# Altium PCB M2FS FLS Data Formatter 8_14_2012.PcbDoc (part 1 of 3) (continued)
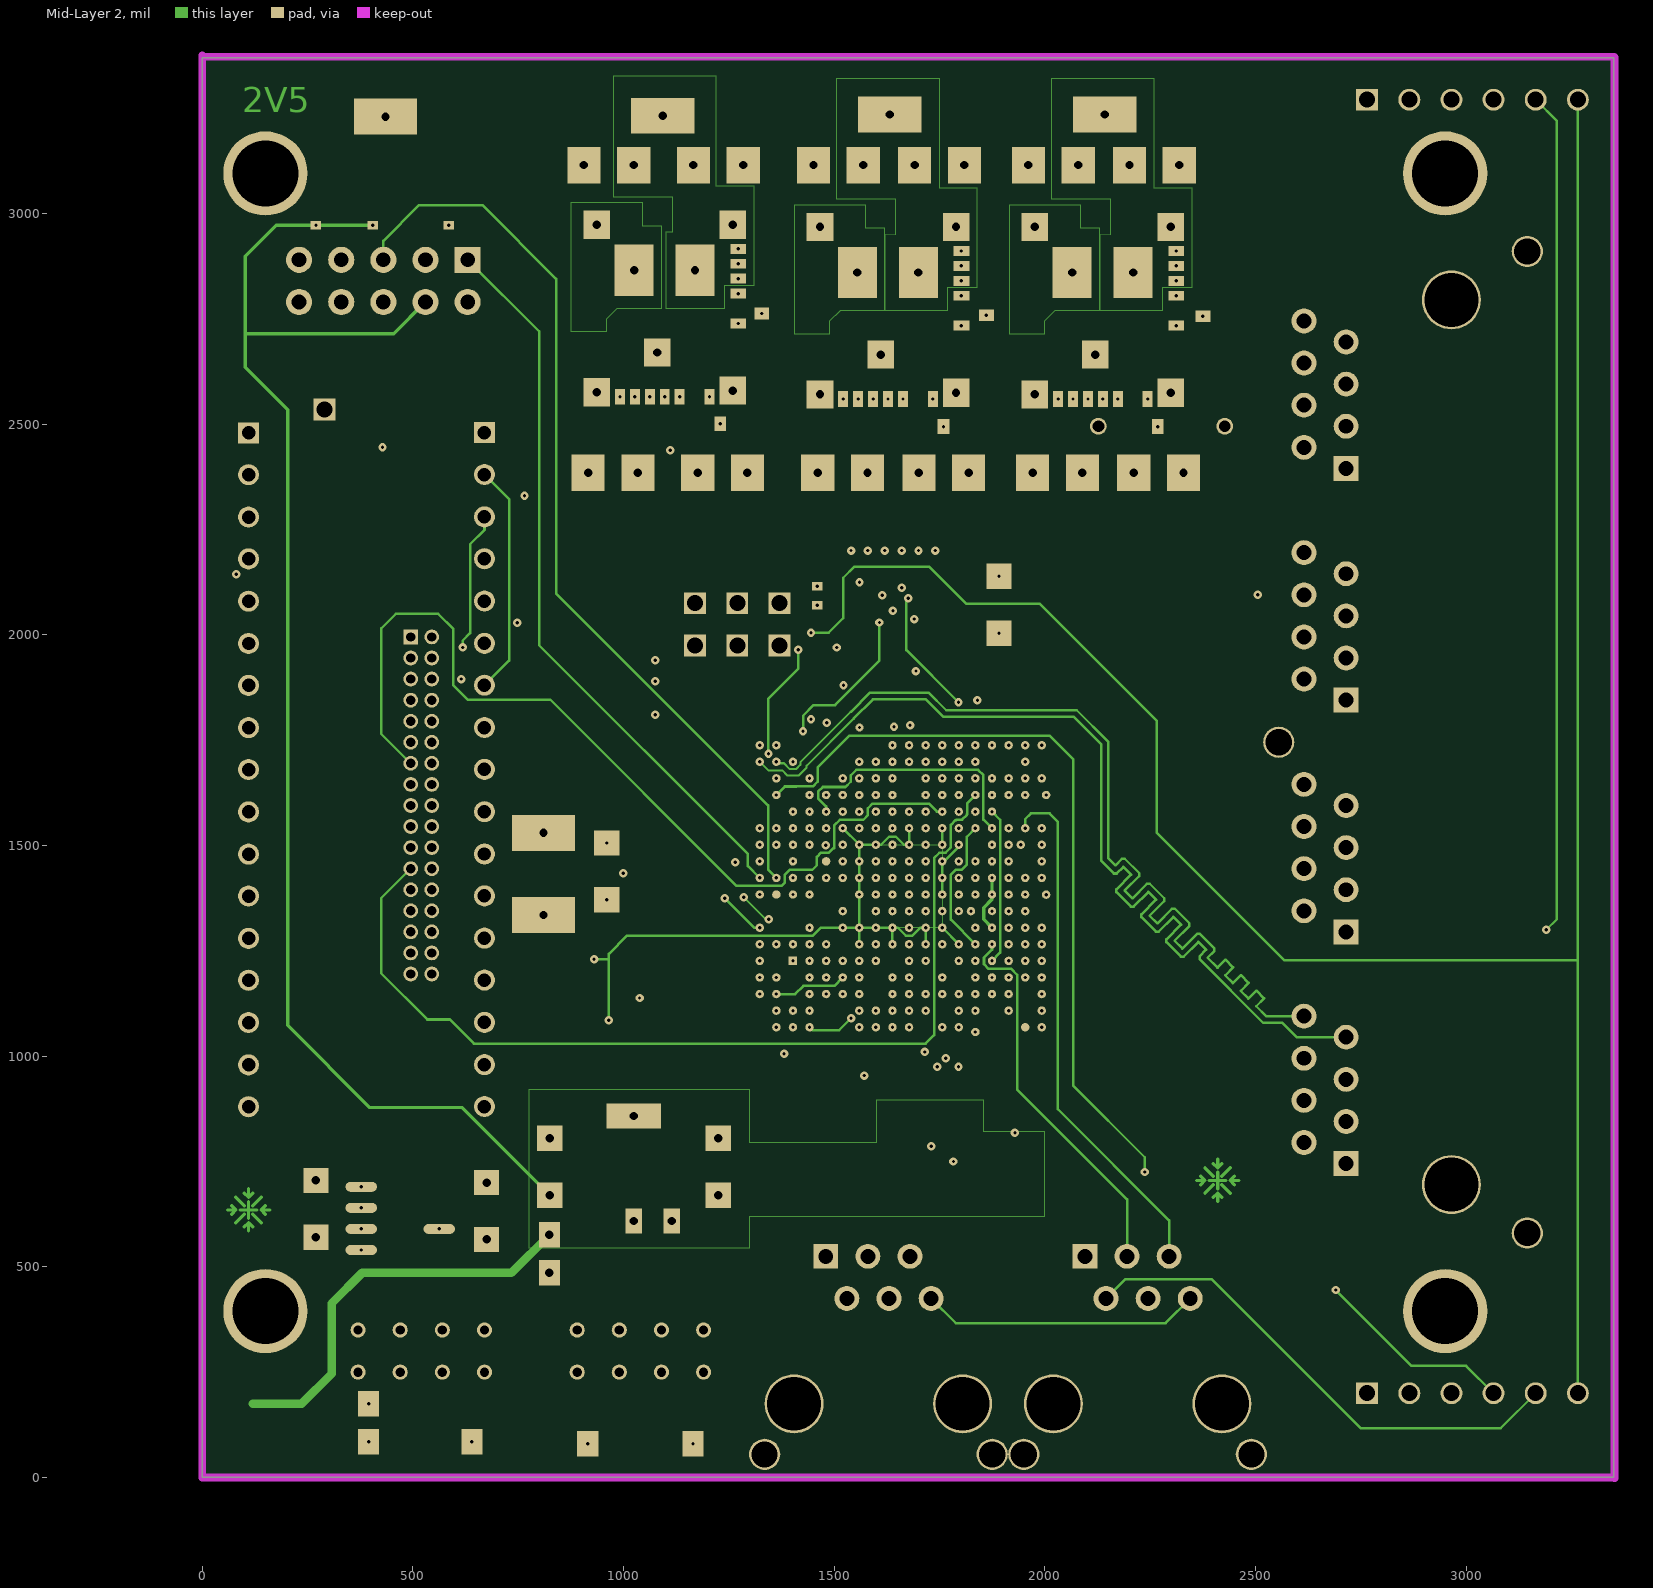
[diagram p4: Mid-Layer 2]
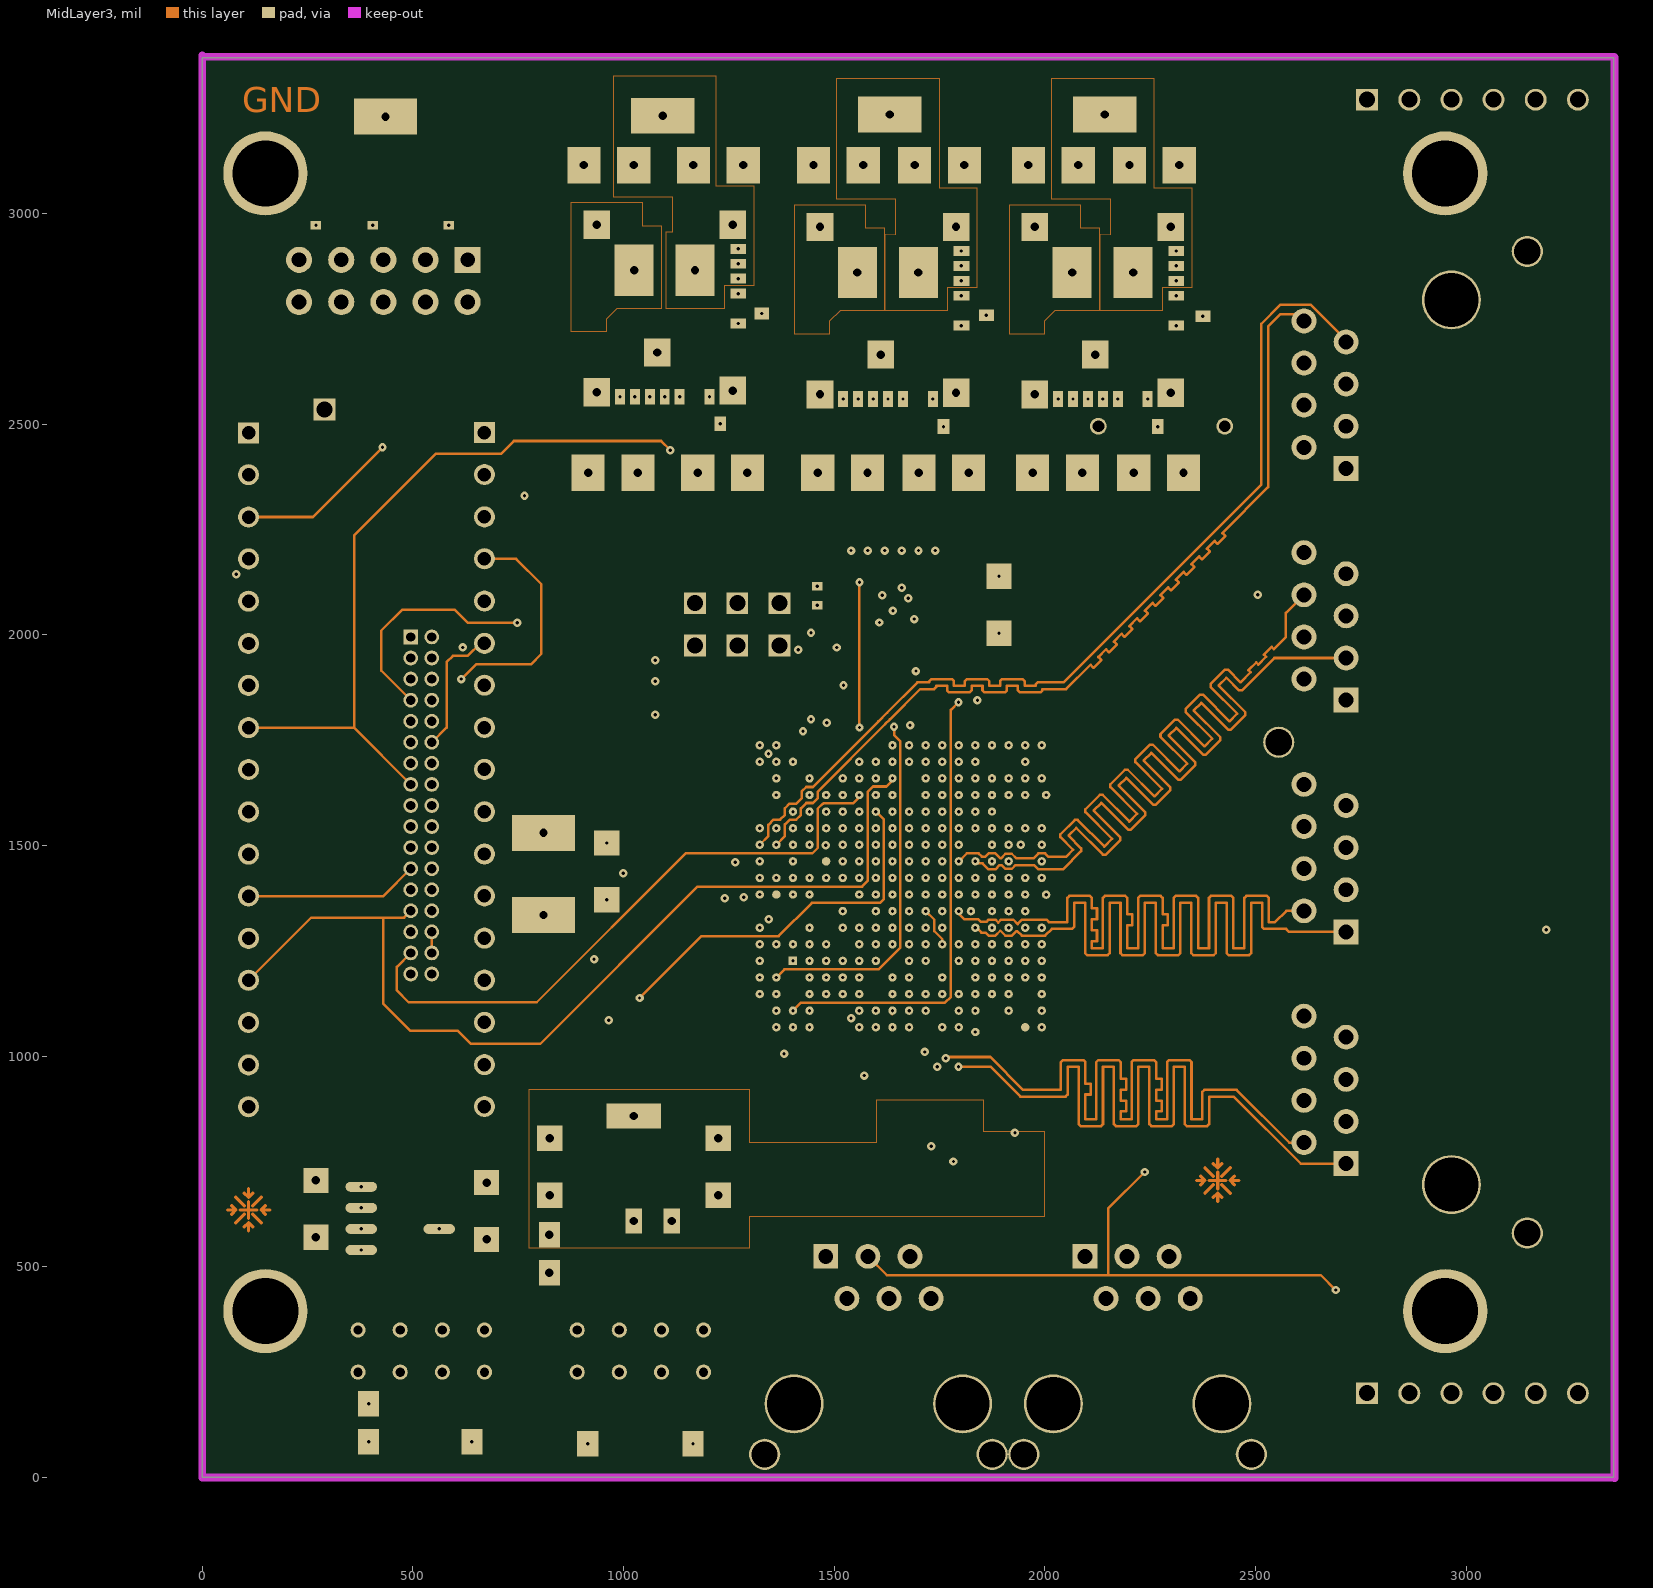
[diagram p5: MidLayer3]
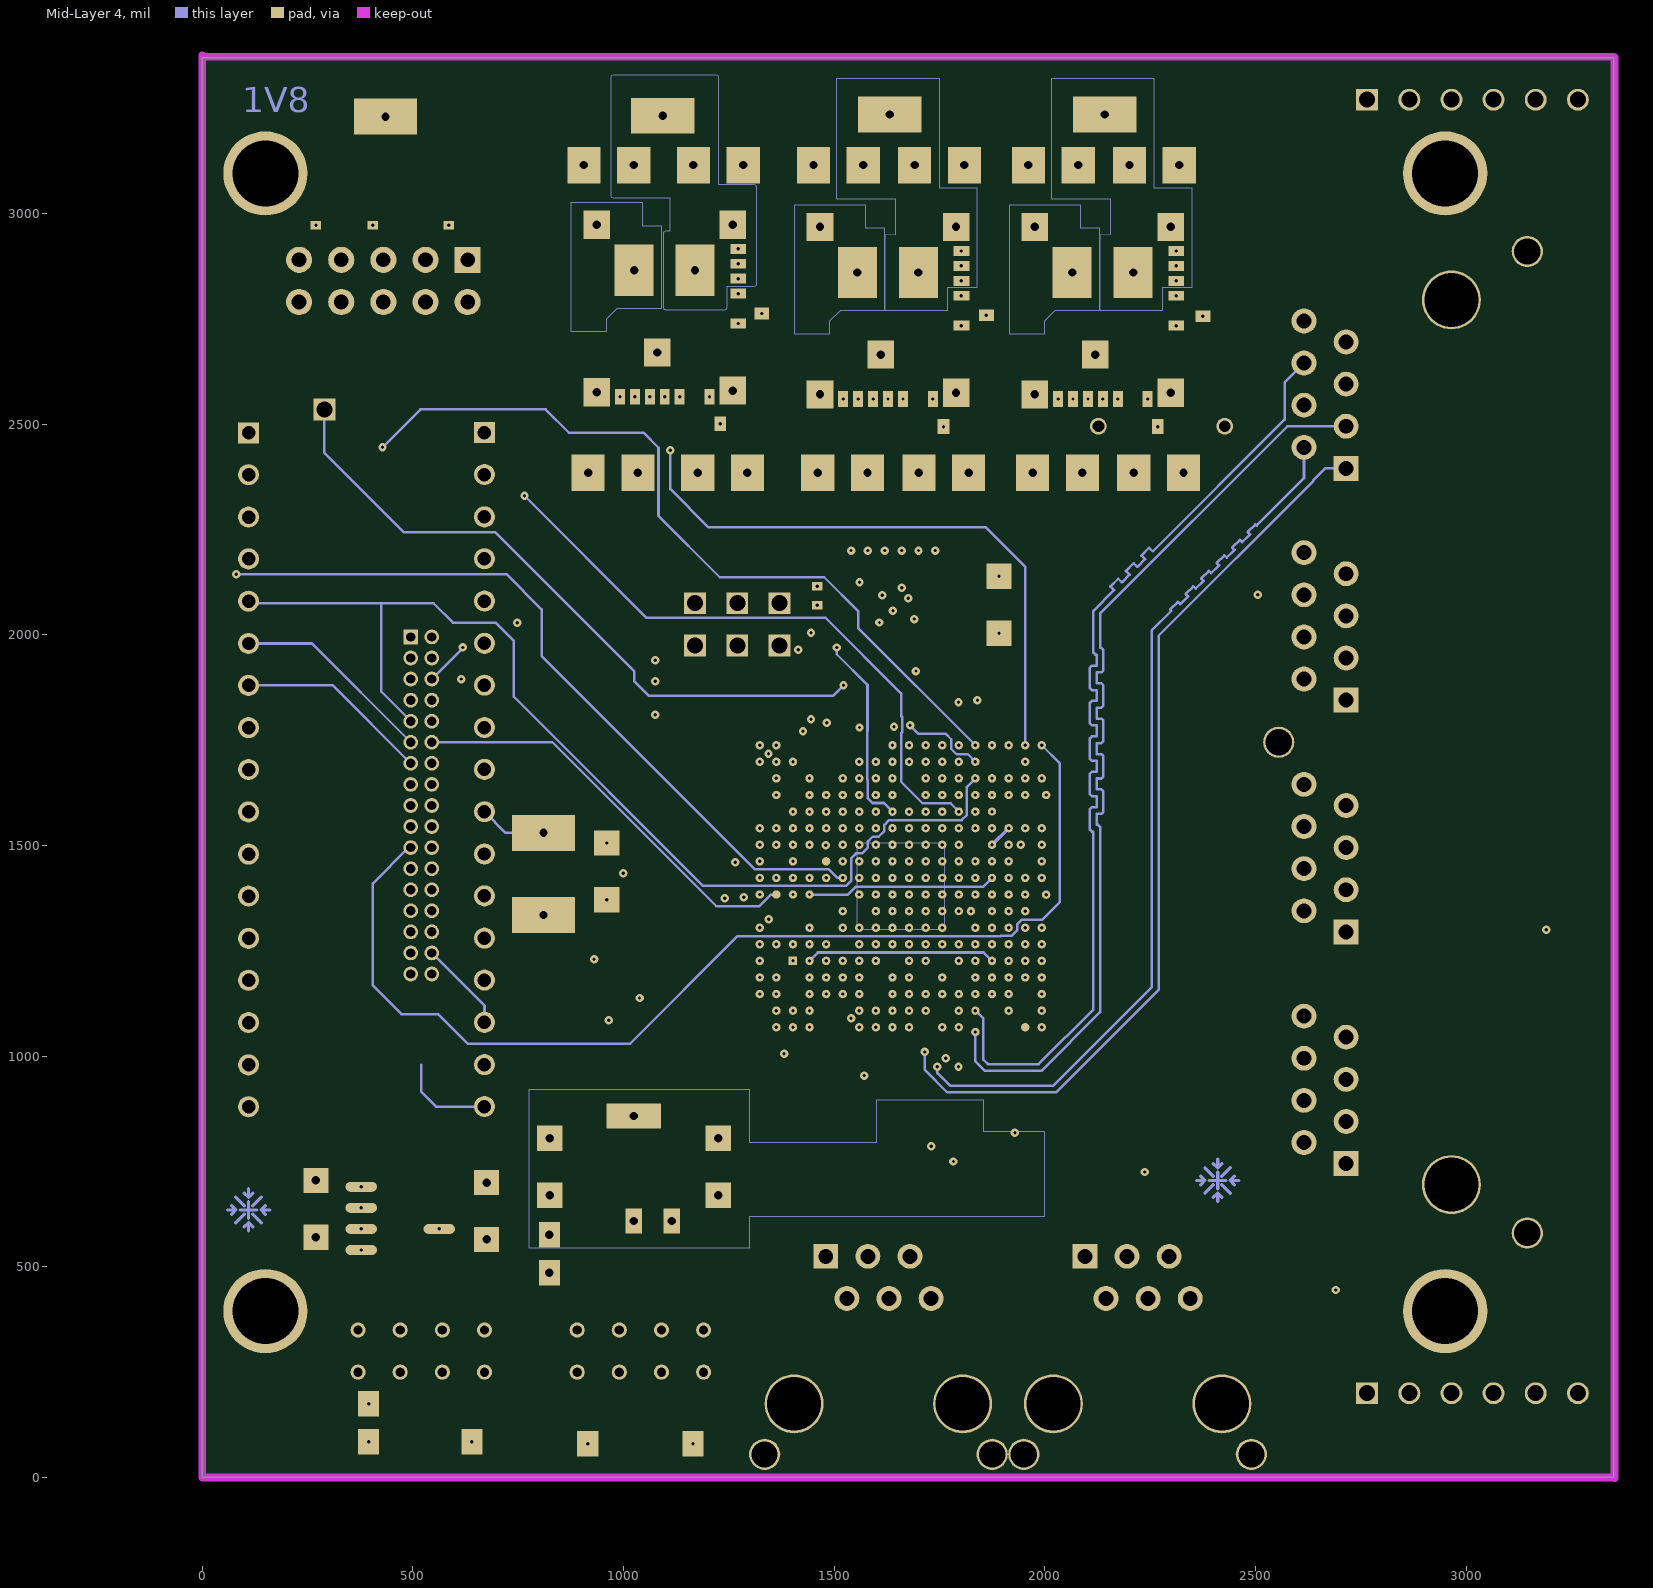
[diagram p6: Mid-Layer 4]
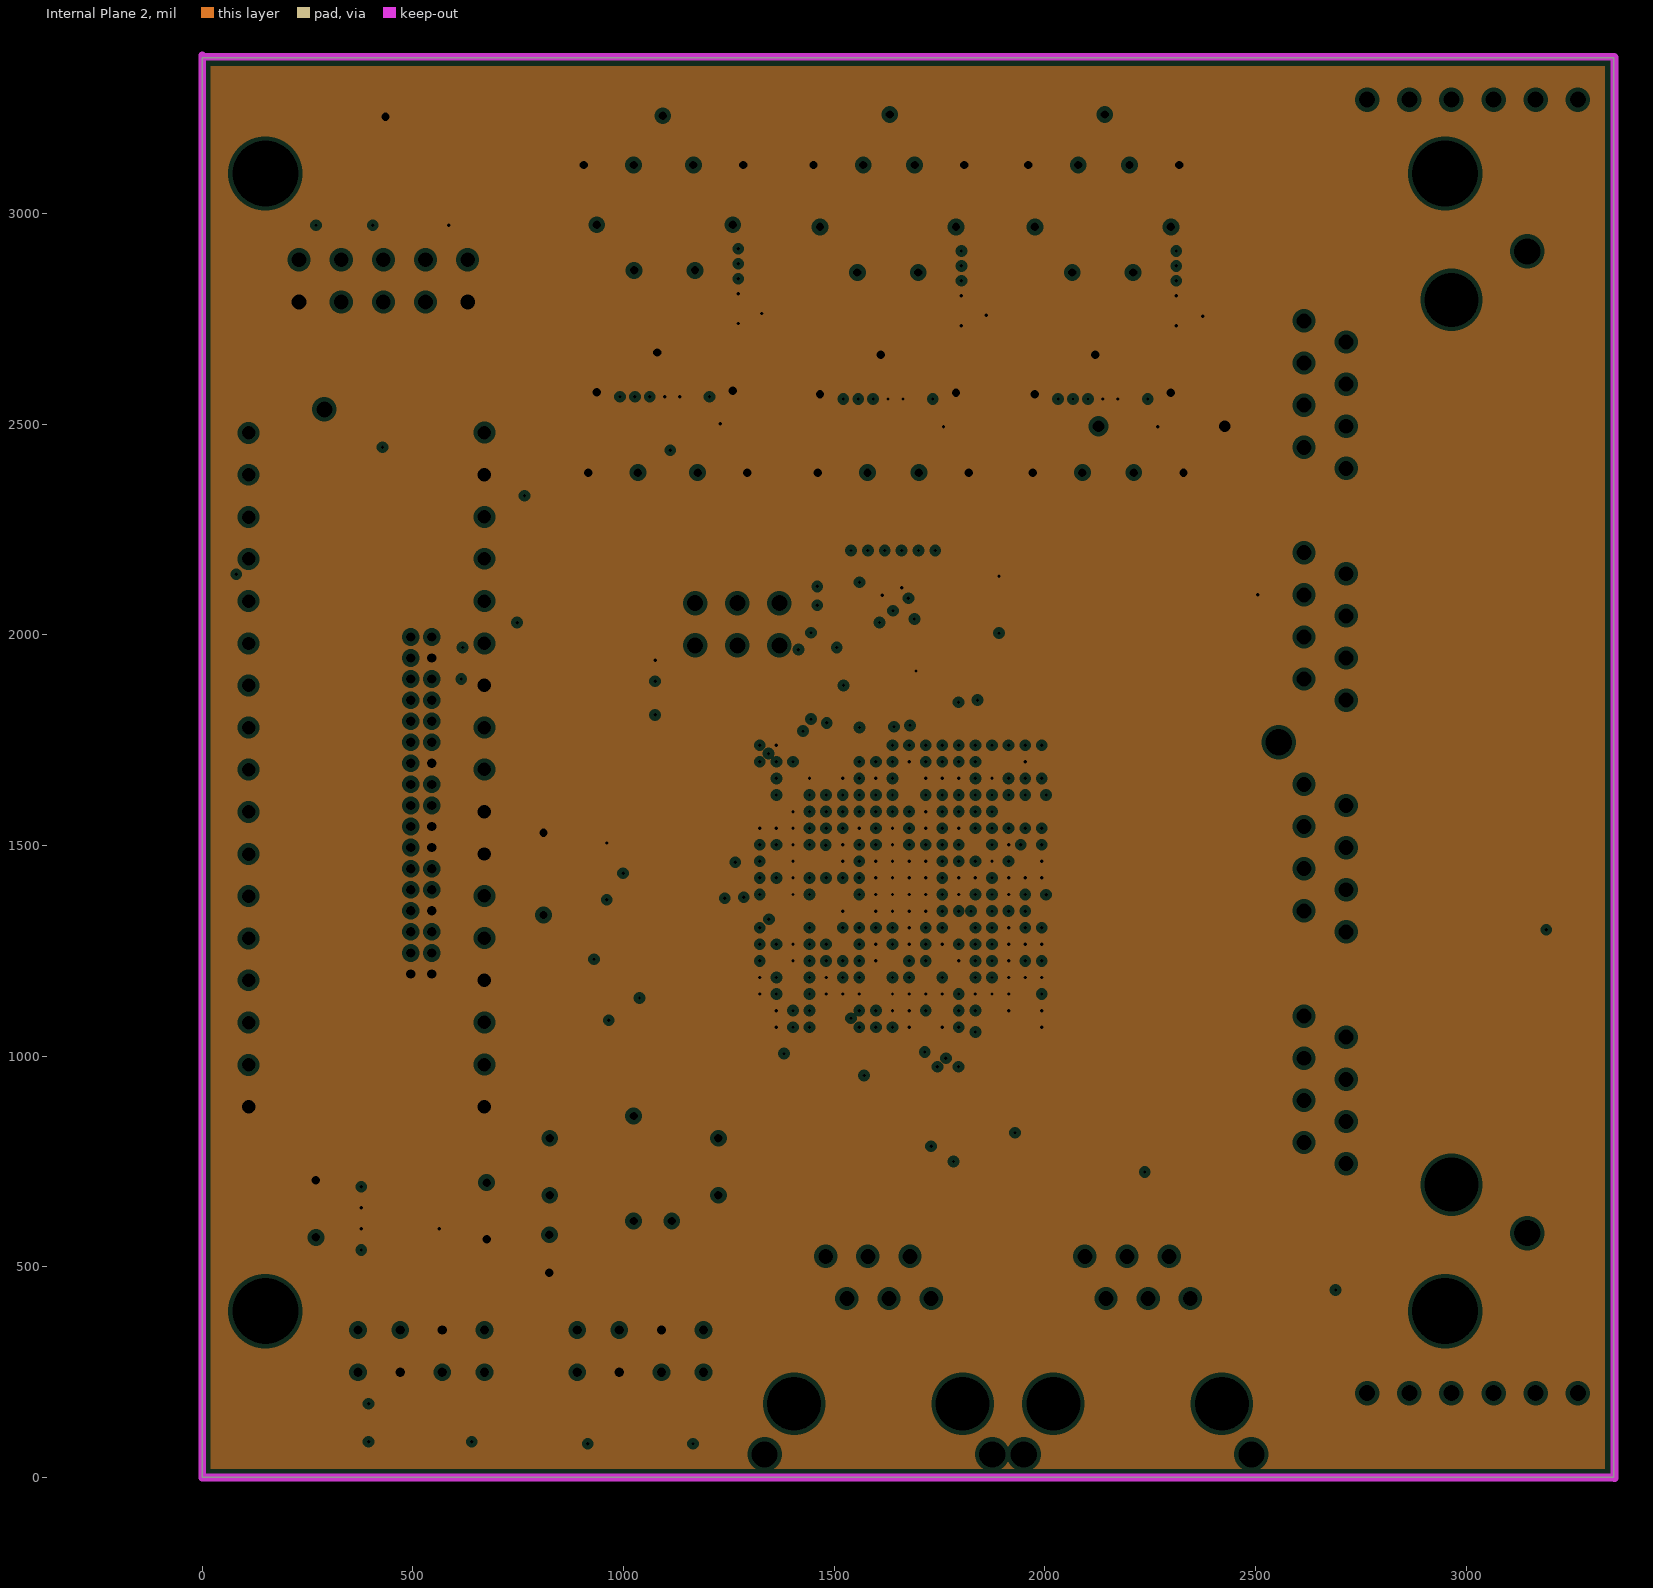
[diagram p7: Internal Plane 2, clearances drawn from the general rule]

## Layer stack, top to bottom
Top Layer: signal copper 1.4
Dielectric: prepreg 12.6, FR-4, Dk 4.8
Internal Plane 1: plane copper 1.4, net 5V0
Dielectric: core 12.6, FR-4, Dk 4.8
Mid-Layer 1: signal copper 1.4
Dielectric: prepreg 12.6, FR-4, Dk 4.8
Mid-Layer 2: signal copper 1.4
Dielectric: core 12.6, FR-4, Dk 4.8
MidLayer3: signal copper 1.4
Dielectric: prepreg 12.6, FR-4, Dk 4.8
Mid-Layer 4: signal copper 1.4
Dielectric: core 12.6, FR-4, Dk 4.8
Internal Plane 2: plane copper 1.4, net GND
Dielectric: prepreg 12.6, FR-4, Dk 4.8
Bottom Layer: signal copper 1.4

## Board outline
0,0 3350,0 3350,3370 0,3370

## Design rules (kind name [scope] priority, off if disabled: settings)
AssemblyTestpoint [(IsPad And (OnTopLayer Or OnBottomLayer)) Or (IsVia) Or (IsPad And OnMultiLayer)] p1: testpointundercomponent=TRUE minsize=10 maxsize=100 preferedsize=60 minholesize=0 maxholesize=40 preferedholesize=32 testpointgrid=1 usegrid=TRUE gridtolerance=0.01 allowsidebottom=TRUE
Clearance "Stitching GND" [IsStitchingVia and InNet('GND') vs (IsVia and (Not IsStitchingVia)) Or IsPad] p1: gap=50
Clearance [All] p2: gap=5
ComponentClearance [All] p1: gap=0 collisioncheckmode=3 verticalgap=0 showdistances=FALSE
DiffPairsRouting [(InDifferentialPairClass('All Differential Pairs'))] p1: maxlimit=10 minlimit=8 mostfreqgap=10 maxuncoupledlength=500
HoleSize [All] p1: absolutevalues=TRUE maxlimit=250 minlimit=1 maxpercent=80.000 minpercent=20.000
HoleToHoleClearance [All] p1: gap=6 allowstackedmicrovias=TRUE
Length All [All] p1: maxlimit=12000 minlimit=0
MatchedLengths [InNetClass('LVDS')] p1: tolerance=500 checknetsindiffpair=TRUE checkdiffpairvsdiffpair=TRUE checkothers=TRUE
MinimumAnnularRing [All] p1: minimumring=5.6
MinimumSolderMaskSliver [All] p1: minsoldermaskwidth=0.1
PlaneClearance [All] p1: clearance=10
PlaneConnect PlaneConnect_2 [(InNet('GND') AND InComponent('U2') AND HasFootprint('FBGA324'))] p1: planeconnectstyle=Relief reliefexpansion=5 reliefentries=4 reliefconductorwidth=10 reliefairgap=5
PlaneConnect PlaneConnect_1 [(InNet('5V0') AND HasFootprint('CON34_.05X.05'))] p2: planeconnectstyle=Relief reliefexpansion=5 reliefentries=4 reliefconductorwidth=10 reliefairgap=5
PlaneConnect [All] p3: planeconnectstyle=Relief reliefexpansion=5 reliefentries=4 reliefconductorwidth=10 reliefairgap=5
PolygonConnect [All] p1: connectstyle=Relief reliefconductorwidth=5 reliefentries=4 polygonreliefangle="90 Angle" airgapwidth=5
RoutingVias [All] p1: holewidth=8 width=20 viastyle="Through Hole" minholewidth=8 minwidth=20 maxholewidth=40 maxwidth=60
SilkToSilkClearance [All] p1: silktosilkclearance=1
SilkscreenOverComponentPads [All] p1: minsilkscreentomaskgap=1
SolderMaskExpansion SolderMaskExpansion_1 [All] p1: expansion=4
Width Width_All [All] p1: maxlimit=60 minlimit=5 preferedwidth=6
Width "Width Power" [All] p2: maxlimit=50 minlimit=6 preferedwidth=50
18 further rules are at their usual default settings.

## Classes and differential pairs
net class LVDS: DATA_CLK_OUT_A_N DATA_CLK_OUT_A_P DATA_CLK_OUT_B_N DATA_CLK_OUT_B_P FRAME_CLK_OUT_A_N FRAME_CLK_OUT_A_P FRAME_CLK_OUT_B_N FRAME_CLK_OUT_B_P LVDS_CHANNEL_1_N LVDS_CHANNEL_1_P LVDS_CHANNEL_2_N LVDS_CHANNEL_2_P LVDS_CHANNEL_3_N LVDS_CHANNEL_3_P LVDS_CHANNEL_4_N LVDS_CHANNEL_4_P LVDS_CHANNEL_5_N LVDS_CHANNEL_5_P LVDS_CHANNEL_6_N LVDS_CHANNEL_6_P LVDS_CHANNEL_7_N LVDS_CHANNEL_7_P LVDS_CHANNEL_8_N LVDS_CHANNEL_8_P START_A_N START_A_P START_B_N START_B_P SYS_CLK1_N SYS_CLK1_P SYS_CLK2_N SYS_CLK2_P
differential pair class LVDS: DATA_CLK DATA_CLK_OUT2 DATA_CLK_OUT!
component class "M2FS FLS Data Formatter 8_14_2012": C13 C14 C15 C16 C17 C18 C19 C20 C21 C22 C23 C24 C25 C26 C27 C28 C29 C30 C31 C32 C33 C34 C35 C36 C37 C38 C39 C40 C41 C42 C43 C44 C45 C46 C47 C48 C49 C50 C51 C52 C53 C54 C55 C56 C57 C58 J1 J2 J3 L1 L2 P1 P2 Q1 Q2 R8 R9 R10 R11 R12 R13 R14 R15 R16 R17 R18 R19 R20 R21 R22 R23 R24 R25 R26 R27 R30 R31 R32 R33 "TEST POINT 1" "TEST POINT 2" "TEST POINT 3" "TEST POINT 5" "TEST POINT 6" "TEST POINT 7" "TEST POINT 8" "TEST POINT 9" "TEST POINT 10" "TEST POINT 12" "TEST POINT 13" "TEST POINT 14" TP1 TP2 TP3 TP4 TP5 TP6 TP7 TP8 TP9 TP10 TP11 TP12 U2 U5
component class "Power Supply": C1 C2 C3 C4 C5 C6 C7 C8 C9 C10 C11 C12 C59 C60 C61 C62 R1 R2 R3 R4 R5 R6 R7 U1 U3 U4 U6 U7
differential pair START_B: +START_B_P -START_B_N
differential pair START_A: +START_A_P -START_A_N
differential pair FRAME_CLK_OUT_B: +FRAME_CLK_OUT_B_P -FRAME_CLK_OUT_B_N
differential pair FRAME_CLK_OUT_A: +FRAME_CLK_OUT_A_P -FRAME_CLK_OUT_A_N
differential pair DATA_CLK_OUT_B: +DATA_CLK_OUT_B_P -DATA_CLK_OUT_B_N
differential pair DATA_CLK_OUT_A: +DATA_CLK_OUT_A_P -DATA_CLK_OUT_A_N
differential pair SYS_CLK1: +SYS_CLK1_P -SYS_CLK1_N
differential pair SYS_CLK2: +SYS_CLK2_P -SYS_CLK2_N
differential pair LVDS_CHANNEL_1: +LVDS_CHANNEL_1_P -LVDS_CHANNEL_1_N
differential pair LVDS_CHANNEL_2: +LVDS_CHANNEL_2_P -LVDS_CHANNEL_2_N
differential pair LVDS_CHANNEL_3: +LVDS_CHANNEL_3_P -LVDS_CHANNEL_3_N
differential pair LVDS_CHANNEL_4: +LVDS_CHANNEL_4_P -LVDS_CHANNEL_4_N
differential pair LVDS_CHANNEL_5: +LVDS_CHANNEL_5_P -LVDS_CHANNEL_5_N
differential pair LVDS_CHANNEL_6: +LVDS_CHANNEL_6_P -LVDS_CHANNEL_6_N
differential pair LVDS_CHANNEL_7: +LVDS_CHANNEL_7_P -LVDS_CHANNEL_7_N
differential pair LVDS_CHANNEL_8: +LVDS_CHANNEL_8_P -LVDS_CHANNEL_8_N
